# EAGLE board working (EAGLE 9.6.2), part 15 of 28
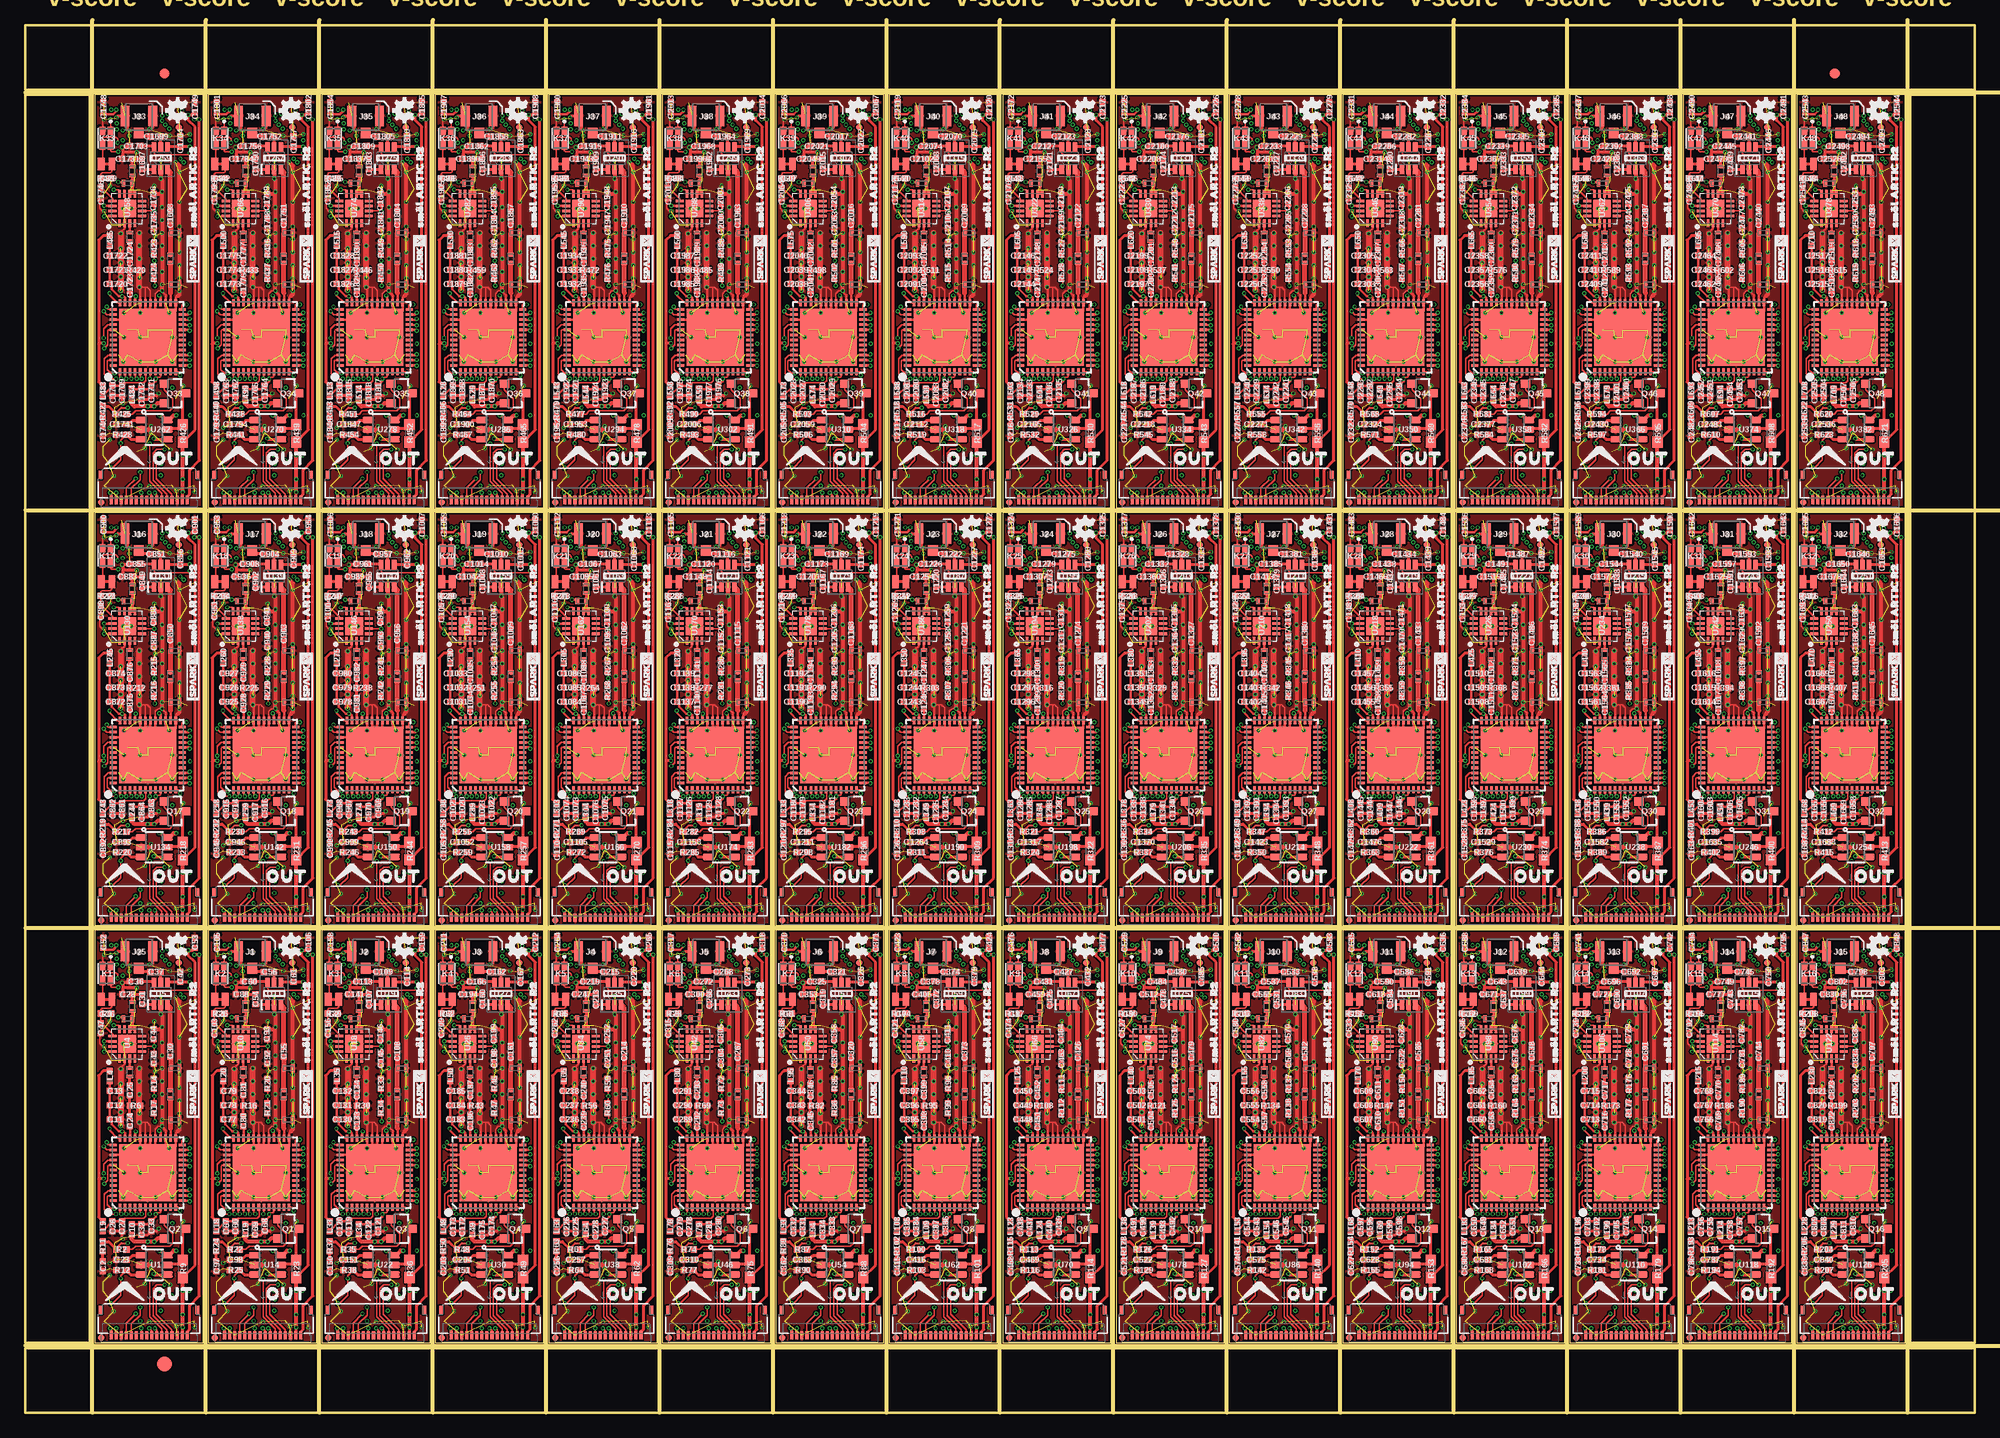
[diagram p0: board, top side]
## Tracks (layer width: path | path; a pad name or v marks a point on that pad's centre or on a via) (continued)
FLSH_SI34  (via drill 0.2) (continued)
  Top 0.254: U273.13 38.5,103.17 v38.54,103.12
  Route15 0.152: v38.54,103.12 38.54,102.42 37.08,100.97 v36.83,100.97 36.83,99.98 v38.57,98.23
  Bottom 0.152: U279.5 v36.82,100.98 v36.83,100.97 | FLSH_SI34.1 39.24,97.56 v38.57,98.23
FLSH_SI35  (via drill 0.2)
  Top 0.254: U281.13 49.68,103.17 v49.72,103.12
  Route15 0.152: v49.72,103.12 49.72,102.42 48.26,100.97 v48.01,100.97 48.01,99.98 v49.75,98.23
  Bottom 0.152: U287.5 47.99,100.98 v48.01,100.97 | FLSH_SI35.1 50.42,97.56 v49.75,98.23
FLSH_SI36  (via drill 0.2)
  Top 0.254: U289.13 60.85,103.17 v60.9,103.12
  Route15 0.152: v60.9,103.12 60.9,102.42 59.44,100.97 v59.18,100.97 59.18,99.98 v60.92,98.23
  Bottom 0.152: U295.5 v59.17,100.98 v59.18,100.97 | FLSH_SI36.1 61.59,97.56 v60.92,98.23
FLSH_SI37  (via drill 0.2)
  Top 0.254: U297.13 72.03,103.17 v72.07,103.12
  Route15 0.152: v72.07,103.12 72.07,102.42 70.61,100.97 v70.36,100.97 70.36,99.98 v72.1,98.23
  Bottom 0.152: U303.5 70.35,100.98 v70.36,100.97 | FLSH_SI37.1 72.77,97.56 v72.1,98.23
FLSH_SI38  (via drill 0.2)
  Top 0.254: U305.13 83.2,103.17 v83.25,103.12
  Route15 0.152: v83.25,103.12 83.25,102.42 81.79,100.97 v81.53,100.97 81.53,99.98 v83.28,98.23
  Bottom 0.152: U311.5 81.52,100.98 v81.53,100.97 | FLSH_SI38.1 83.95,97.56 v83.28,98.23
FLSH_SI39  (via drill 0.2)
  Top 0.254: U313.13 94.38,103.17 v94.42,103.12
  Route15 0.152: v94.42,103.12 94.42,102.42 92.96,100.97 v92.71,100.97 92.71,99.98 v94.45,98.23
  Bottom 0.152: U319.5 v92.7,100.98 v92.71,100.97 | FLSH_SI39.1 95.12,97.56 v94.45,98.23
FLSH_SI40  (via drill 0.2)
  Top 0.254: U321.13 105.56,103.17 v105.6,103.12
  Route15 0.152: v105.6,103.12 105.6,102.42 104.14,100.97 v103.89,100.97 103.89,99.98 v105.63,98.23
  Bottom 0.152: U327.5 103.87,100.98 v103.89,100.97 | FLSH_SI40.1 106.3,97.56 v105.63,98.23
FLSH_SI41  (via drill 0.2)
  Top 0.254: U329.13 116.73,103.17 v116.78,103.12
  Route15 0.152: v116.78,103.12 116.78,102.42 115.32,100.97 v115.06,100.97 115.06,99.98 v116.8,98.23
  Bottom 0.152: U335.5 v115.05,100.98 v115.06,100.97 | FLSH_SI41.1 117.48,97.56 v116.8,98.23
FLSH_SI42  (via drill 0.2)
  Top 0.254: U337.13 127.91,103.17 v127.95,103.12
  Route15 0.152: v127.95,103.12 127.95,102.42 126.49,100.97 v126.24,100.97 126.24,99.98 v127.98,98.23
  Bottom 0.152: U343.5 126.23,100.98 v126.24,100.97 | FLSH_SI42.1 128.65,97.56 v127.98,98.23
FLSH_SI43  (via drill 0.2)
  Top 0.254: U345.13 139.08,103.17 v139.13,103.12
  Route15 0.152: v139.13,103.12 139.13,102.42 137.67,100.97 v137.41,100.97 137.41,99.98 v139.16,98.23
  Bottom 0.152: U351.5 137.4,100.98 v137.41,100.97 | FLSH_SI43.1 139.83,97.56 v139.16,98.23
FLSH_SI44  (via drill 0.2)
  Top 0.254: U353.13 150.26,103.17 v150.3,103.12
  Route15 0.152: v150.3,103.12 150.3,102.42 148.84,100.97 v148.59,100.97 148.59,99.98 v150.33,98.23
  Bottom 0.152: U359.5 v148.58,100.98 v148.59,100.97 | FLSH_SI44.1 151,97.56 v150.33,98.23
FLSH_SI45  (via drill 0.2)
  Top 0.254: U361.13 161.44,103.17 v161.48,103.12
  Route15 0.152: v161.48,103.12 161.48,102.42 160.02,100.97 v159.77,100.97 159.77,99.98 v161.51,98.23
  Bottom 0.152: U367.5 159.75,100.98 v159.77,100.97 | FLSH_SI45.1 162.18,97.56 v161.51,98.23
FLSH_SI46  (via drill 0.2)
  Top 0.254: U369.13 172.61,103.17 v172.66,103.12
  Route15 0.152: v172.66,103.12 172.66,102.42 171.2,100.97 v170.94,100.97 170.94,99.98 v172.68,98.23
  Bottom 0.152: U375.5 v170.93,100.98 v170.94,100.97 | FLSH_SI46.1 173.36,97.56 v172.68,98.23
FLSH_SI47  (via drill 0.2)
  Top 0.254: U377.13 183.79,103.17 v183.83,103.12
  Route15 0.152: v183.83,103.12 183.83,102.42 182.37,100.97 v182.12,100.97 182.12,99.98 v183.86,98.23
  Bottom 0.152: U383.5 182.11,100.98 v182.12,100.97 | FLSH_SI47.1 184.53,97.56 v183.86,98.23
FLSH_SO  (via drill 0.2)
  Top 0.254: U3.14 16.16,21.37 v16.19,21.4
  Bottom 0.152: 16.89,19.68 16.89,20.7 v16.19,21.4 | 16.89,19.68 FLSH_SO.1 | U7.2 16.89,19.68
FLSH_SO1  (via drill 0.2)
  Top 0.254: U9.14 27.34,21.37 v27.37,21.4
  Bottom 0.152: 28.07,19.68 28.07,20.7 v27.37,21.4 | 28.07,19.68 FLSH_SO1.1 | U15.2 28.06,19.68 28.07,19.68
FLSH_SO2  (via drill 0.2)
  Top 0.254: U17.14 38.52,21.37 v38.54,21.4
  Bottom 0.152: 39.24,19.68 39.24,20.7 v38.54,21.4 | 39.24,19.68 FLSH_SO2.1 | U23.2 39.24,19.68
FLSH_SO3  (via drill 0.2)
  Top 0.254: U25.14 49.69,21.37 v49.72,21.4
  Bottom 0.152: 50.42,19.68 50.42,20.7 v49.72,21.4 | 50.42,19.68 FLSH_SO3.1 | U31.2 50.41,19.68 50.42,19.68
FLSH_SO4  (via drill 0.2)
  Top 0.254: U33.14 60.87,21.37 v60.9,21.4
  Bottom 0.152: 61.59,19.68 61.59,20.7 v60.9,21.4 | 61.59,19.68 FLSH_SO4.1 | U39.2 61.59,19.68
FLSH_SO5  (via drill 0.2)
  Top 0.254: U41.14 72.05,21.37 v72.07,21.4
  Bottom 0.152: 72.77,19.68 72.77,20.7 v72.07,21.4 | 72.77,19.68 FLSH_SO5.1 | U47.2 72.77,19.68
FLSH_SO6  (via drill 0.2)
  Top 0.254: U49.14 83.22,21.37 v83.25,21.4
  Bottom 0.152: 83.95,19.68 83.95,20.7 v83.25,21.4 | 83.95,19.68 FLSH_SO6.1 | U55.2 83.94,19.68 83.95,19.68
FLSH_SO7  (via drill 0.2)
  Top 0.254: U57.14 94.4,21.37 v94.42,21.4
  Bottom 0.152: 95.12,19.68 95.12,20.7 v94.42,21.4 | 95.12,19.68 FLSH_SO7.1 | U63.2 95.12,19.68
FLSH_SO8  (via drill 0.2)
  Top 0.254: U65.14 105.57,21.37 v105.6,21.4
  Bottom 0.152: 106.3,19.68 106.3,20.7 v105.6,21.4 | 106.3,19.68 FLSH_SO8.1 | U71.2 106.3,19.68
FLSH_SO9  (via drill 0.2)
  Top 0.254: U73.14 116.75,21.37 v116.78,21.4
  Bottom 0.152: 117.48,19.68 117.48,20.7 v116.78,21.4 | 117.48,19.68 FLSH_SO9.1 | U79.2 117.47,19.68 117.48,19.68
FLSH_SO10  (via drill 0.2)
  Top 0.254: U81.14 127.92,21.37 v127.95,21.4
  Bottom 0.152: 128.65,19.68 128.65,20.7 v127.95,21.4 | 128.65,19.68 FLSH_SO10.1 | U87.2 128.65,19.68
FLSH_SO11  (via drill 0.2)
  Top 0.254: U89.14 139.1,21.37 v139.13,21.4
  Bottom 0.152: 139.83,19.68 139.83,20.7 v139.13,21.4 | 139.83,19.68 FLSH_SO11.1 | U95.2 139.82,19.68 139.83,19.68
FLSH_SO12  (via drill 0.2)
  Top 0.254: U97.14 150.28,21.37 v150.3,21.4
  Bottom 0.152: 151,19.68 151,20.7 v150.3,21.4 | 151,19.68 FLSH_SO12.1 | U103.2 151,19.68
FLSH_SO13  (via drill 0.2)
  Top 0.254: U105.14 161.45,21.37 v161.48,21.4
  Bottom 0.152: 162.18,19.68 162.18,20.7 v161.48,21.4 | 162.18,19.68 FLSH_SO13.1 | U111.2 162.18,19.68
FLSH_SO14  (via drill 0.2)
  Top 0.254: U113.14 172.63,21.37 v172.66,21.4
  Bottom 0.152: 173.36,19.68 173.36,20.7 v172.66,21.4 | 173.36,19.68 FLSH_SO14.1 | U119.2 173.35,19.68 173.36,19.68
FLSH_SO15  (via drill 0.2)
  Top 0.254: U121.14 183.81,21.37 v183.83,21.4
  Bottom 0.152: 184.53,19.68 184.53,20.7 v183.83,21.4 | 184.53,19.68 FLSH_SO15.1 | U127.2 184.53,19.68
FLSH_SO16  (via drill 0.2)
  Top 0.254: U129.14 16.16,62.52 v16.19,62.55
  Bottom 0.152: 16.89,60.83 16.89,61.85 v16.19,62.55 | 16.89,60.83 FLSH_SO16.1 | U135.2 16.89,60.83
FLSH_SO17  (via drill 0.2)
  Top 0.254: U137.14 27.34,62.52 v27.37,62.55
  Bottom 0.152: 28.07,60.83 28.07,61.85 v27.37,62.55 | 28.07,60.83 FLSH_SO17.1 | U143.2 28.06,60.83 28.07,60.83
FLSH_SO18  (via drill 0.2)
  Top 0.254: U145.14 38.52,62.52 v38.54,62.55
  Bottom 0.152: 39.24,60.83 39.24,61.85 v38.54,62.55 | 39.24,60.83 FLSH_SO18.1 | U151.2 39.24,60.83
FLSH_SO19  (via drill 0.2)
  Top 0.254: U153.14 49.69,62.52 v49.72,62.55
  Bottom 0.152: 50.42,60.83 50.42,61.85 v49.72,62.55 | 50.42,60.83 FLSH_SO19.1 | U159.2 50.41,60.83 50.42,60.83
FLSH_SO20  (via drill 0.2)
  Top 0.254: U161.14 60.87,62.52 v60.9,62.55
  Bottom 0.152: 61.59,60.83 61.59,61.85 v60.9,62.55 | 61.59,60.83 FLSH_SO20.1 | U167.2 61.59,60.83
FLSH_SO21  (via drill 0.2)
  Top 0.254: U169.14 72.05,62.52 v72.07,62.55
  Bottom 0.152: 72.77,60.83 72.77,61.85 v72.07,62.55 | 72.77,60.83 FLSH_SO21.1 | U175.2 72.77,60.83
FLSH_SO22  (via drill 0.2)
  Top 0.254: U177.14 83.22,62.52 v83.25,62.55
  Bottom 0.152: 83.95,60.83 83.95,61.85 v83.25,62.55 | 83.95,60.83 FLSH_SO22.1 | U183.2 83.94,60.83 83.95,60.83
FLSH_SO23  (via drill 0.2)
  Top 0.254: U185.14 94.4,62.52 v94.42,62.55
  Bottom 0.152: 95.12,60.83 95.12,61.85 v94.42,62.55 | 95.12,60.83 FLSH_SO23.1 | U191.2 95.12,60.83
FLSH_SO24  (via drill 0.2)
  Top 0.254: U193.14 105.57,62.52 v105.6,62.55
  Bottom 0.152: 106.3,60.83 106.3,61.85 v105.6,62.55 | 106.3,60.83 FLSH_SO24.1 | U199.2 106.3,60.83
FLSH_SO25  (via drill 0.2)
  Top 0.254: U201.14 116.75,62.52 v116.78,62.55
  Bottom 0.152: 117.48,60.83 117.48,61.85 v116.78,62.55 | 117.48,60.83 FLSH_SO25.1 | U207.2 117.47,60.83 117.48,60.83
FLSH_SO26  (via drill 0.2)
  Top 0.254: U209.14 127.92,62.52 v127.95,62.55
  Bottom 0.152: 128.65,60.83 128.65,61.85 v127.95,62.55 | 128.65,60.83 FLSH_SO26.1 | U215.2 128.65,60.83
FLSH_SO27  (via drill 0.2)
  Top 0.254: U217.14 139.1,62.52 v139.13,62.55
  Bottom 0.152: 139.83,60.83 139.83,61.85 v139.13,62.55 | 139.83,60.83 FLSH_SO27.1 | U223.2 139.82,60.83 139.83,60.83
FLSH_SO28  (via drill 0.2)
  Top 0.254: U225.14 150.28,62.52 v150.3,62.55
  Bottom 0.152: 151,60.83 151,61.85 v150.3,62.55 | 151,60.83 FLSH_SO28.1 | U231.2 151,60.83
FLSH_SO29  (via drill 0.2)
  Top 0.254: U233.14 161.45,62.52 v161.48,62.55
  Bottom 0.152: 162.18,60.83 162.18,61.85 v161.48,62.55 | 162.18,60.83 FLSH_SO29.1 | U239.2 162.18,60.83
FLSH_SO30  (via drill 0.2)
  Top 0.254: U241.14 172.63,62.52 v172.66,62.55
  Bottom 0.152: 173.36,60.83 173.36,61.85 v172.66,62.55 | 173.36,60.83 FLSH_SO30.1 | U247.2 173.35,60.83 173.36,60.83
FLSH_SO31  (via drill 0.2)
  Top 0.254: U249.14 183.81,62.52 v183.83,62.55
  Bottom 0.152: 184.53,60.83 184.53,61.85 v183.83,62.55 | 184.53,60.83 FLSH_SO31.1 | U255.2 184.53,60.83
FLSH_SO32  (via drill 0.2)
  Top 0.254: U257.14 16.16,103.67 v16.19,103.7
  Bottom 0.152: 16.89,101.98 16.89,103 v16.19,103.7 | 16.89,101.98 FLSH_SO32.1 | U263.2 16.89,101.98
FLSH_SO33  (via drill 0.2)
  Top 0.254: U265.14 27.34,103.67 v27.37,103.7
  Bottom 0.152: 28.07,101.98 28.07,103 v27.37,103.7 | 28.07,101.98 FLSH_SO33.1 | U271.2 28.06,101.98 28.07,101.98
FLSH_SO34  (via drill 0.2)
  Top 0.254: U273.14 38.52,103.67 v38.54,103.7
  Bottom 0.152: 39.24,101.98 39.24,103 v38.54,103.7 | 39.24,101.98 FLSH_SO34.1 | U279.2 39.24,101.98
FLSH_SO35  (via drill 0.2)
  Top 0.254: U281.14 49.69,103.67 v49.72,103.7
  Bottom 0.152: 50.42,101.98 50.42,103 v49.72,103.7 | 50.42,101.98 FLSH_SO35.1 | U287.2 50.41,101.98 50.42,101.98
FLSH_SO36  (via drill 0.2)
  Top 0.254: U289.14 60.87,103.67 v60.9,103.7
  Bottom 0.152: 61.59,101.98 61.59,103 v60.9,103.7 | 61.59,101.98 FLSH_SO36.1 | U295.2 61.59,101.98
FLSH_SO37  (via drill 0.2)
  Top 0.254: U297.14 72.05,103.67 v72.07,103.7
  Bottom 0.152: 72.77,101.98 72.77,103 v72.07,103.7 | 72.77,101.98 FLSH_SO37.1 | U303.2 72.77,101.98
FLSH_SO38  (via drill 0.2)
  Top 0.254: U305.14 83.22,103.67 v83.25,103.7
  Bottom 0.152: 83.95,101.98 83.95,103 v83.25,103.7 | 83.95,101.98 FLSH_SO38.1 | U311.2 83.94,101.98 83.95,101.98
FLSH_SO39  (via drill 0.2)
  Top 0.254: U313.14 94.4,103.67 v94.42,103.7
  Bottom 0.152: 95.12,101.98 95.12,103 v94.42,103.7 | 95.12,101.98 FLSH_SO39.1 | U319.2 95.12,101.98
FLSH_SO40  (via drill 0.2)
  Top 0.254: U321.14 105.57,103.67 v105.6,103.7
  Bottom 0.152: 106.3,101.98 106.3,103 v105.6,103.7 | 106.3,101.98 FLSH_SO40.1 | U327.2 106.3,101.98
FLSH_SO41  (via drill 0.2)
  Top 0.254: U329.14 116.75,103.67 v116.78,103.7
  Bottom 0.152: 117.48,101.98 117.48,103 v116.78,103.7 | 117.48,101.98 FLSH_SO41.1 | U335.2 117.47,101.98 117.48,101.98
FLSH_SO42  (via drill 0.2)
  Top 0.254: U337.14 127.92,103.67 v127.95,103.7
  Bottom 0.152: 128.65,101.98 128.65,103 v127.95,103.7 | 128.65,101.98 FLSH_SO42.1 | U343.2 128.65,101.98
FLSH_SO43  (via drill 0.2)
  Top 0.254: U345.14 139.1,103.67 v139.13,103.7
  Bottom 0.152: 139.83,101.98 139.83,103 v139.13,103.7 | 139.83,101.98 FLSH_SO43.1 | U351.2 139.82,101.98 139.83,101.98
FLSH_SO44  (via drill 0.2)
  Top 0.254: U353.14 150.28,103.67 v150.3,103.7
  Bottom 0.152: 151,101.98 151,103 v150.3,103.7 | 151,101.98 FLSH_SO44.1 | U359.2 151,101.98
FLSH_SO45  (via drill 0.2)
  Top 0.254: U361.14 161.45,103.67 v161.48,103.7
  Bottom 0.152: 162.18,101.98 162.18,103 v161.48,103.7 | 162.18,101.98 FLSH_SO45.1 | U367.2 162.18,101.98
FLSH_SO46  (via drill 0.2)
  Top 0.254: U369.14 172.63,103.67 v172.66,103.7
  Bottom 0.152: 173.36,101.98 173.36,103 v172.66,103.7 | 173.36,101.98 FLSH_SO46.1 | U375.2 173.35,101.98 173.36,101.98
FLSH_SO47  (via drill 0.2)
  Top 0.254: U377.14 183.81,103.67 v183.83,103.7
  Bottom 0.152: 184.53,101.98 184.53,103 v183.83,103.7 | 184.53,101.98 FLSH_SO47.1 | U383.2 184.53,101.98
G1  (via drill 0.2)
  Top 0.152: K2.1 19.58,45.08 v19.56,45.1
  Route15 0.152: v22.48,9.02 22.1,8.64 22.1,8.19 22.36,7.93 24.71,7.93 25.92,9.14 27.05,9.14 27.3,9.4 27.3,10.53 28.35,11.57 28.35,42.06 v27.36,43.05
  Bottom 0.152: v19.56,45.1 19.56,44.2 20.14,43.61 20.73,43.61 21.29,43.05 v27.36,43.05 | v22.48,9.02 22.44,9.06 U16.5
G2  (via drill 0.2)
  Top 0.152: K3.1 30.75,45.08 v30.73,45.1
  Route15 0.152: v33.66,9.02 33.27,8.64 33.27,8.19 33.54,7.93 35.88,7.93 37.1,9.14 38.23,9.14 38.48,9.4 38.48,10.53 39.52,11.57 39.52,42.06 v38.53,43.05
  Bottom 0.152: v30.73,45.1 30.73,44.2 31.32,43.61 31.91,43.61 32.46,43.05 v38.53,43.05 | v33.66,9.02 33.61,9.06 U24.5
G3  (via drill 0.2)
  Top 0.152: K4.1 41.93,45.08 v41.91,45.1
  Route15 0.152: v44.83,9.02 44.45,8.64 44.45,8.19 44.71,7.93 47.06,7.93 48.27,9.14 49.4,9.14 49.66,9.4 49.66,10.53 50.7,11.57 50.7,42.06 v49.71,43.05
  Bottom 0.152: v41.91,45.1 41.91,44.2 42.49,43.61 43.08,43.61 43.64,43.05 v49.71,43.05 | v44.83,9.02 44.79,9.06 U32.5
G4  (via drill 0.2)
  Top 0.152: K5.1 53.1,45.08 v53.09,45.1
  Route15 0.152: v56.01,9.02 55.63,8.64 55.63,8.19 55.89,7.93 58.23,7.93 59.45,9.14 60.58,9.14 60.83,9.4 60.83,10.53 61.87,11.57 61.87,42.06 v60.88,43.05
  Bottom 0.152: v53.09,45.1 53.09,44.2 53.67,43.61 54.26,43.61 54.82,43.05 v60.88,43.05 | v56.01,9.02 55.97,9.06 U40.5
G5  (via drill 0.2)
  Top 0.152: K6.1 64.28,45.08 v64.26,45.1
  Route15 0.152: v67.18,9.02 66.8,8.64 66.8,8.19 67.07,7.93 69.41,7.93 70.63,9.14 71.76,9.14 72.01,9.4 72.01,10.53 73.05,11.57 73.05,42.06 v72.06,43.05
  Bottom 0.152: v64.26,45.1 64.26,44.2 64.84,43.61 65.43,43.61 65.99,43.05 v72.06,43.05 | v67.18,9.02 67.14,9.06 U48.5
G6  (via drill 0.2)
  Top 0.152: K7.1 75.46,45.08 v75.44,45.1
  Route15 0.152: v78.36,9.02 77.98,8.64 77.98,8.19 78.24,7.93 80.59,7.93 81.8,9.14 82.93,9.14 83.19,9.4 83.19,10.53 84.23,11.57 84.23,42.06 v83.24,43.05
  Bottom 0.152: v75.44,45.1 75.44,44.2 76.02,43.61 76.61,43.61 77.17,43.05 v83.24,43.05 | v78.36,9.02 78.32,9.06 U56.5
G7  (via drill 0.2)
  Top 0.152: K8.1 86.63,45.08 v86.61,45.1
  Route15 0.152: v89.54,9.02 89.15,8.64 89.15,8.19 89.42,7.93 91.76,7.93 92.98,9.14 94.11,9.14 94.36,9.4 94.36,10.53 95.4,11.57 95.4,42.06 v94.41,43.05
  Bottom 0.152: v86.61,45.1 86.61,44.2 87.2,43.61 87.79,43.61 88.34,43.05 v94.41,43.05 | v89.54,9.02 89.49,9.06 U64.5
G8  (via drill 0.2)
  Top 0.152: K1.1 8.4,45.08 v8.38,45.1
  Route15 0.152: v11.3,9.02 10.92,8.64 10.92,8.19 11.19,7.93 13.53,7.93 14.75,9.14 15.88,9.14 16.13,9.4 16.13,10.53 17.17,11.57 17.17,42.06 v16.18,43.05
  Bottom 0.152: v8.38,45.1 8.38,44.2 8.96,43.61 9.55,43.61 10.11,43.05 v16.18,43.05 | v11.3,9.02 11.26,9.06 U8.5
G9  (via drill 0.2)
  Top 0.152: K9.1 97.81,45.08 v97.79,45.1
  Route15 0.152: v100.71,9.02 100.33,8.64 100.33,8.19 100.59,7.93 102.94,7.93 104.15,9.14 105.28,9.14 105.54,9.4 105.54,10.53 106.58,11.57 106.58,42.06 v105.59,43.05
  Bottom 0.152: v97.79,45.1 97.79,44.2 98.37,43.61 98.96,43.61 99.52,43.05 v105.59,43.05 | v100.71,9.02 100.67,9.06 U72.5
G10  (via drill 0.2)
  Top 0.152: K10.1 108.98,45.08 v108.97,45.1
  Route15 0.152: v111.89,9.02 111.51,8.64 111.51,8.19 111.77,7.93 114.11,7.93 115.33,9.14 116.46,9.14 116.71,9.4 116.71,10.53 117.75,11.57 117.75,42.06 v116.77,43.05
  Bottom 0.152: v108.97,45.1 108.97,44.2 109.55,43.61 110.14,43.61 110.7,43.05 v116.77,43.05 | v111.89,9.02 111.85,9.06 U80.5
G11  (via drill 0.2)
  Top 0.152: K11.1 120.16,45.08 v120.14,45.1
  Route15 0.152: v123.06,9.02 122.68,8.64 122.68,8.19 122.95,7.93 125.29,7.93 126.51,9.14 127.64,9.14 127.89,9.4 127.89,10.53 128.93,11.57 128.93,42.06 v127.94,43.05
  Bottom 0.152: v120.14,45.1 120.14,44.2 120.73,43.61 121.31,43.61 121.87,43.05 v127.94,43.05 | v123.06,9.02 123.02,9.06 U88.5
G12  (via drill 0.2)
  Top 0.152: K12.1 131.34,45.08 v131.32,45.1
  Route15 0.152: v134.24,9.02 133.86,8.64 133.86,8.19 134.12,7.93 136.47,7.93 137.68,9.14 138.81,9.14 139.06,9.4 139.06,10.53 140.11,11.57 140.11,42.06 v139.12,43.05
  Bottom 0.152: v131.32,45.1 131.32,44.2 131.9,43.61 132.49,43.61 133.05,43.05 v139.12,43.05 | v134.24,9.02 134.2,9.06 U96.5
G13  (via drill 0.2)
  Top 0.152: K13.1 142.51,45.08 v142.49,45.1
  Route15 0.152: v145.41,9.02 145.03,8.64 145.03,8.19 145.3,7.93 147.64,7.93 148.86,9.14 149.99,9.14 150.24,9.4 150.24,10.53 151.28,11.57 151.28,42.06 v150.29,43.05
  Bottom 0.152: v142.49,45.1 142.49,44.2 143.08,43.61 143.66,43.61 144.22,43.05 v150.29,43.05 | v145.41,9.02 145.37,9.06 U104.5
G14  (via drill 0.2)
  Top 0.152: K14.1 153.69,45.08 v153.67,45.1
  Route15 0.152: v156.59,9.02 156.21,8.64 156.21,8.19 156.47,7.93 158.82,7.93 160.03,9.14 161.16,9.14 161.42,9.4 161.42,10.53 162.46,11.57 162.46,42.06 v161.47,43.05
  Bottom 0.152: v153.67,45.1 153.67,44.2 154.25,43.61 154.84,43.61 155.4,43.05 v161.47,43.05 | v156.59,9.02 156.55,9.06 U112.5
G15  (via drill 0.2)
  Top 0.152: K15.1 164.87,45.08 v164.85,45.1
  Route15 0.152: v167.77,9.02 167.39,8.64 167.39,8.19 167.65,7.93 169.99,7.93 171.21,9.14 172.34,9.14 172.59,9.4 172.59,10.53 173.63,11.57 173.63,42.06 v172.65,43.05
  Bottom 0.152: v164.85,45.1 164.85,44.2 165.43,43.61 166.02,43.61 166.58,43.05 v172.65,43.05 | v167.77,9.02 167.73,9.06 U120.5
G16  (via drill 0.2)
  Top 0.152: K16.1 176.04,45.08 v176.02,45.1
  Route15 0.152: v178.94,9.02 178.56,8.64 178.56,8.19 178.83,7.93 181.17,7.93 182.39,9.14 183.52,9.14 183.77,9.4 183.77,10.53 184.81,11.57 184.81,42.06 v183.82,43.05
  Bottom 0.152: v176.02,45.1 176.02,44.2 176.61,43.61 177.19,43.61 177.75,43.05 v183.82,43.05 | v178.94,9.02 178.9,9.06 U128.5
G17  (via drill 0.2)
  Top 0.152: K17.1 8.4,86.23 v8.38,86.24
  Route15 0.152: v11.3,50.16 10.92,49.78 10.92,49.34 11.19,49.07 13.53,49.07 14.75,50.29 15.88,50.29 16.13,50.55 16.13,51.67 17.17,52.72 17.17,83.21 v16.18,84.2
  Bottom 0.152: v8.38,86.24 8.38,85.34 8.96,84.76 9.55,84.76 10.11,84.2 v16.18,84.2 | v11.3,50.16 11.26,50.21 U136.5
G18  (via drill 0.2)
  Top 0.152: K18.1 19.58,86.23 v19.56,86.24
  Route15 0.152: v22.48,50.16 22.1,49.78 22.1,49.34 22.36,49.07 24.71,49.07 25.92,50.29 27.05,50.29 27.3,50.55 27.3,51.67 28.35,52.72 28.35,83.21 v27.36,84.2
  Bottom 0.152: v19.56,86.24 19.56,85.34 20.14,84.76 20.73,84.76 21.29,84.2 v27.36,84.2 | v22.48,50.16 22.44,50.21 U144.5
G19  (via drill 0.2)
  Top 0.152: K19.1 30.75,86.23 v30.73,86.24
  Route15 0.152: v33.66,50.16 33.27,49.78 33.27,49.34 33.54,49.07 35.88,49.07 37.1,50.29 38.23,50.29 38.48,50.55 38.48,51.67 39.52,52.72 39.52,83.21 v38.53,84.2
  Bottom 0.152: v30.73,86.24 30.73,85.34 31.32,84.76 31.91,84.76 32.46,84.2 v38.53,84.2 | v33.66,50.16 33.61,50.21 U152.5
G20  (via drill 0.2)
  Top 0.152: K20.1 41.93,86.23 v41.91,86.24
  Route15 0.152: v44.83,50.16 44.45,49.78 44.45,49.34 44.71,49.07 47.06,49.07 48.27,50.29 49.4,50.29 49.66,50.55 49.66,51.67 50.7,52.72 50.7,83.21 v49.71,84.2
  Bottom 0.152: v41.91,86.24 41.91,85.34 42.49,84.76 43.08,84.76 43.64,84.2 v49.71,84.2 | v44.83,50.16 44.79,50.21 U160.5
G21  (via drill 0.2)
  Top 0.152: K21.1 53.1,86.23 v53.09,86.24
  Route15 0.152: v56.01,50.16 55.63,49.78 55.63,49.34 55.89,49.07 58.23,49.07 59.45,50.29 60.58,50.29 60.83,50.55 60.83,51.67 61.87,52.72 61.87,83.21 v60.88,84.2
  Bottom 0.152: v53.09,86.24 53.09,85.34 53.67,84.76 54.26,84.76 54.82,84.2 v60.88,84.2 | v56.01,50.16 55.97,50.21 U168.5
G22  (via drill 0.2)
  Top 0.152: K22.1 64.28,86.23 v64.26,86.24
  Route15 0.152: v67.18,50.16 66.8,49.78 66.8,49.34 67.07,49.07 69.41,49.07 70.63,50.29 71.76,50.29 72.01,50.55 72.01,51.67 73.05,52.72 73.05,83.21 v72.06,84.2
  Bottom 0.152: v64.26,86.24 64.26,85.34 64.84,84.76 65.43,84.76 65.99,84.2 v72.06,84.2 | v67.18,50.16 67.14,50.21 U176.5
G23  (via drill 0.2)
  Top 0.152: K23.1 75.46,86.23 v75.44,86.24
  Route15 0.152: v78.36,50.16 77.98,49.78 77.98,49.34 78.24,49.07 80.59,49.07 81.8,50.29 82.93,50.29 83.19,50.55 83.19,51.67 84.23,52.72 84.23,83.21 v83.24,84.2
  Bottom 0.152: v75.44,86.24 75.44,85.34 76.02,84.76 76.61,84.76 77.17,84.2 v83.24,84.2 | v78.36,50.16 78.32,50.21 U184.5
G24  (via drill 0.2)
  Top 0.152: K24.1 86.63,86.23 v86.61,86.24
  Route15 0.152: v89.54,50.16 89.15,49.78 89.15,49.34 89.42,49.07 91.76,49.07 92.98,50.29 94.11,50.29 94.36,50.55 94.36,51.67 95.4,52.72 95.4,83.21 v94.41,84.2
  Bottom 0.152: v86.61,86.24 86.61,85.34 87.2,84.76 87.79,84.76 88.34,84.2 v94.41,84.2 | v89.54,50.16 89.49,50.21 U192.5
G25  (via drill 0.2)
  Top 0.152: K25.1 97.81,86.23 v97.79,86.24
  Route15 0.152: v100.71,50.16 100.33,49.78 100.33,49.34 100.59,49.07 102.94,49.07 104.15,50.29 105.28,50.29 105.54,50.55 105.54,51.67 106.58,52.72 106.58,83.21 v105.59,84.2
  Bottom 0.152: v97.79,86.24 97.79,85.34 98.37,84.76 98.96,84.76 99.52,84.2 v105.59,84.2 | v100.71,50.16 100.67,50.21 U200.5
G26  (via drill 0.2)
  Top 0.152: K26.1 108.98,86.23 v108.97,86.24
  Route15 0.152: v111.89,50.16 111.51,49.78 111.51,49.34 111.77,49.07 114.11,49.07 115.33,50.29 116.46,50.29 116.71,50.55 116.71,51.67 117.75,52.72 117.75,83.21 v116.77,84.2
  Bottom 0.152: v108.97,86.24 108.97,85.34 109.55,84.76 110.14,84.76 110.7,84.2 v116.77,84.2 | v111.89,50.16 111.85,50.21 U208.5
G27  (via drill 0.2)
  Top 0.152: K27.1 120.16,86.23 v120.14,86.24
  Route15 0.152: v123.06,50.16 122.68,49.78 122.68,49.34 122.95,49.07 125.29,49.07 126.51,50.29 127.64,50.29 127.89,50.55 127.89,51.67 128.93,52.72 128.93,83.21 v127.94,84.2
  Bottom 0.152: v120.14,86.24 120.14,85.34 120.73,84.76 121.31,84.76 121.87,84.2 v127.94,84.2 | v123.06,50.16 123.02,50.21 U216.5
G28  (via drill 0.2)
  Top 0.152: K28.1 131.34,86.23 v131.32,86.24
  Route15 0.152: v134.24,50.16 133.86,49.78 133.86,49.34 134.12,49.07 136.47,49.07 137.68,50.29 138.81,50.29 139.06,50.55 139.06,51.67 140.11,52.72 140.11,83.21 v139.12,84.2
  Bottom 0.152: v131.32,86.24 131.32,85.34 131.9,84.76 132.49,84.76 133.05,84.2 v139.12,84.2 | v134.24,50.16 134.2,50.21 U224.5
G29  (via drill 0.2)
  Top 0.152: K29.1 142.51,86.23 v142.49,86.24
  Route15 0.152: v145.41,50.16 145.03,49.78 145.03,49.34 145.3,49.07 147.64,49.07 148.86,50.29 149.99,50.29 150.24,50.55 150.24,51.67 151.28,52.72 151.28,83.21 v150.29,84.2
  Bottom 0.152: v142.49,86.24 142.49,85.34 143.08,84.76 143.66,84.76 144.22,84.2 v150.29,84.2 | v145.41,50.16 145.37,50.21 U232.5
G30  (via drill 0.2)
  Top 0.152: K30.1 153.69,86.23 v153.67,86.24
  Route15 0.152: v156.59,50.16 156.21,49.78 156.21,49.34 156.47,49.07 158.82,49.07 160.03,50.29 161.16,50.29 161.42,50.55 161.42,51.67 162.46,52.72 162.46,83.21 v161.47,84.2
  Bottom 0.152: v153.67,86.24 153.67,85.34 154.25,84.76 154.84,84.76 155.4,84.2 v161.47,84.2 | v156.59,50.16 156.55,50.21 U240.5
G31  (via drill 0.2)
  Top 0.152: K31.1 164.87,86.23 v164.85,86.24
  Route15 0.152: v167.77,50.16 167.39,49.78 167.39,49.34 167.65,49.07 169.99,49.07 171.21,50.29 172.34,50.29 172.59,50.55 172.59,51.67 173.63,52.72 173.63,83.21 v172.65,84.2
  Bottom 0.152: v164.85,86.24 164.85,85.34 165.43,84.76 166.02,84.76 166.58,84.2 v172.65,84.2 | v167.77,50.16 167.73,50.21 U248.5
G32  (via drill 0.2)
  Top 0.152: K32.1 176.04,86.23 v176.02,86.24
  Route15 0.152: v178.94,50.16 178.56,49.78 178.56,49.34 178.83,49.07 181.17,49.07 182.39,50.29 183.52,50.29 183.77,50.55 183.77,51.67 184.81,52.72 184.81,83.21 v183.82,84.2
  Bottom 0.152: v176.02,86.24 176.02,85.34 176.61,84.76 177.19,84.76 177.75,84.2 v183.82,84.2 | v178.94,50.16 178.9,50.21 U256.5
G33  (via drill 0.2)
  Top 0.152: K33.1 8.4,127.37 v8.38,127.39
  Route15 0.152: v11.3,91.31 10.92,90.93 10.92,90.49 11.19,90.22 13.53,90.22 14.75,91.44 15.88,91.44 16.13,91.69 16.13,92.82 17.17,93.86 17.17,124.36 v16.18,125.35
  Bottom 0.152: v8.38,127.39 8.38,126.49 8.96,125.91 9.55,125.91 10.11,125.35 v16.18,125.35 | v11.3,91.31 11.26,91.35 U264.5
G34  (via drill 0.2)
  Top 0.152: K34.1 19.58,127.37 v19.56,127.39
  Route15 0.152: v22.48,91.31 22.1,90.93 22.1,90.49 22.36,90.22 24.71,90.22 25.92,91.44 27.05,91.44 27.3,91.69 27.3,92.82 28.35,93.86 28.35,124.36 v27.36,125.35
  Bottom 0.152: v19.56,127.39 19.56,126.49 20.14,125.91 20.73,125.91 21.29,125.35 v27.36,125.35 | v22.48,91.31 22.44,91.35 U272.5
G35  (via drill 0.2)
  Top 0.152: K35.1 30.75,127.37 v30.73,127.39
  Route15 0.152: v33.66,91.31 33.27,90.93 33.27,90.49 33.54,90.22 35.88,90.22 37.1,91.44 38.23,91.44 38.48,91.69 38.48,92.82 39.52,93.86 39.52,124.36 v38.53,125.35
  Bottom 0.152: v30.73,127.39 30.73,126.49 31.32,125.91 31.91,125.91 32.46,125.35 v38.53,125.35 | v33.66,91.31 33.61,91.35 U280.5
G36  (via drill 0.2)
  Top 0.152: K36.1 41.93,127.37 v41.91,127.39